# Altium PCB GameBoard_V1I1_Phase1.PcbDoc (part 4 of 18) (continued)
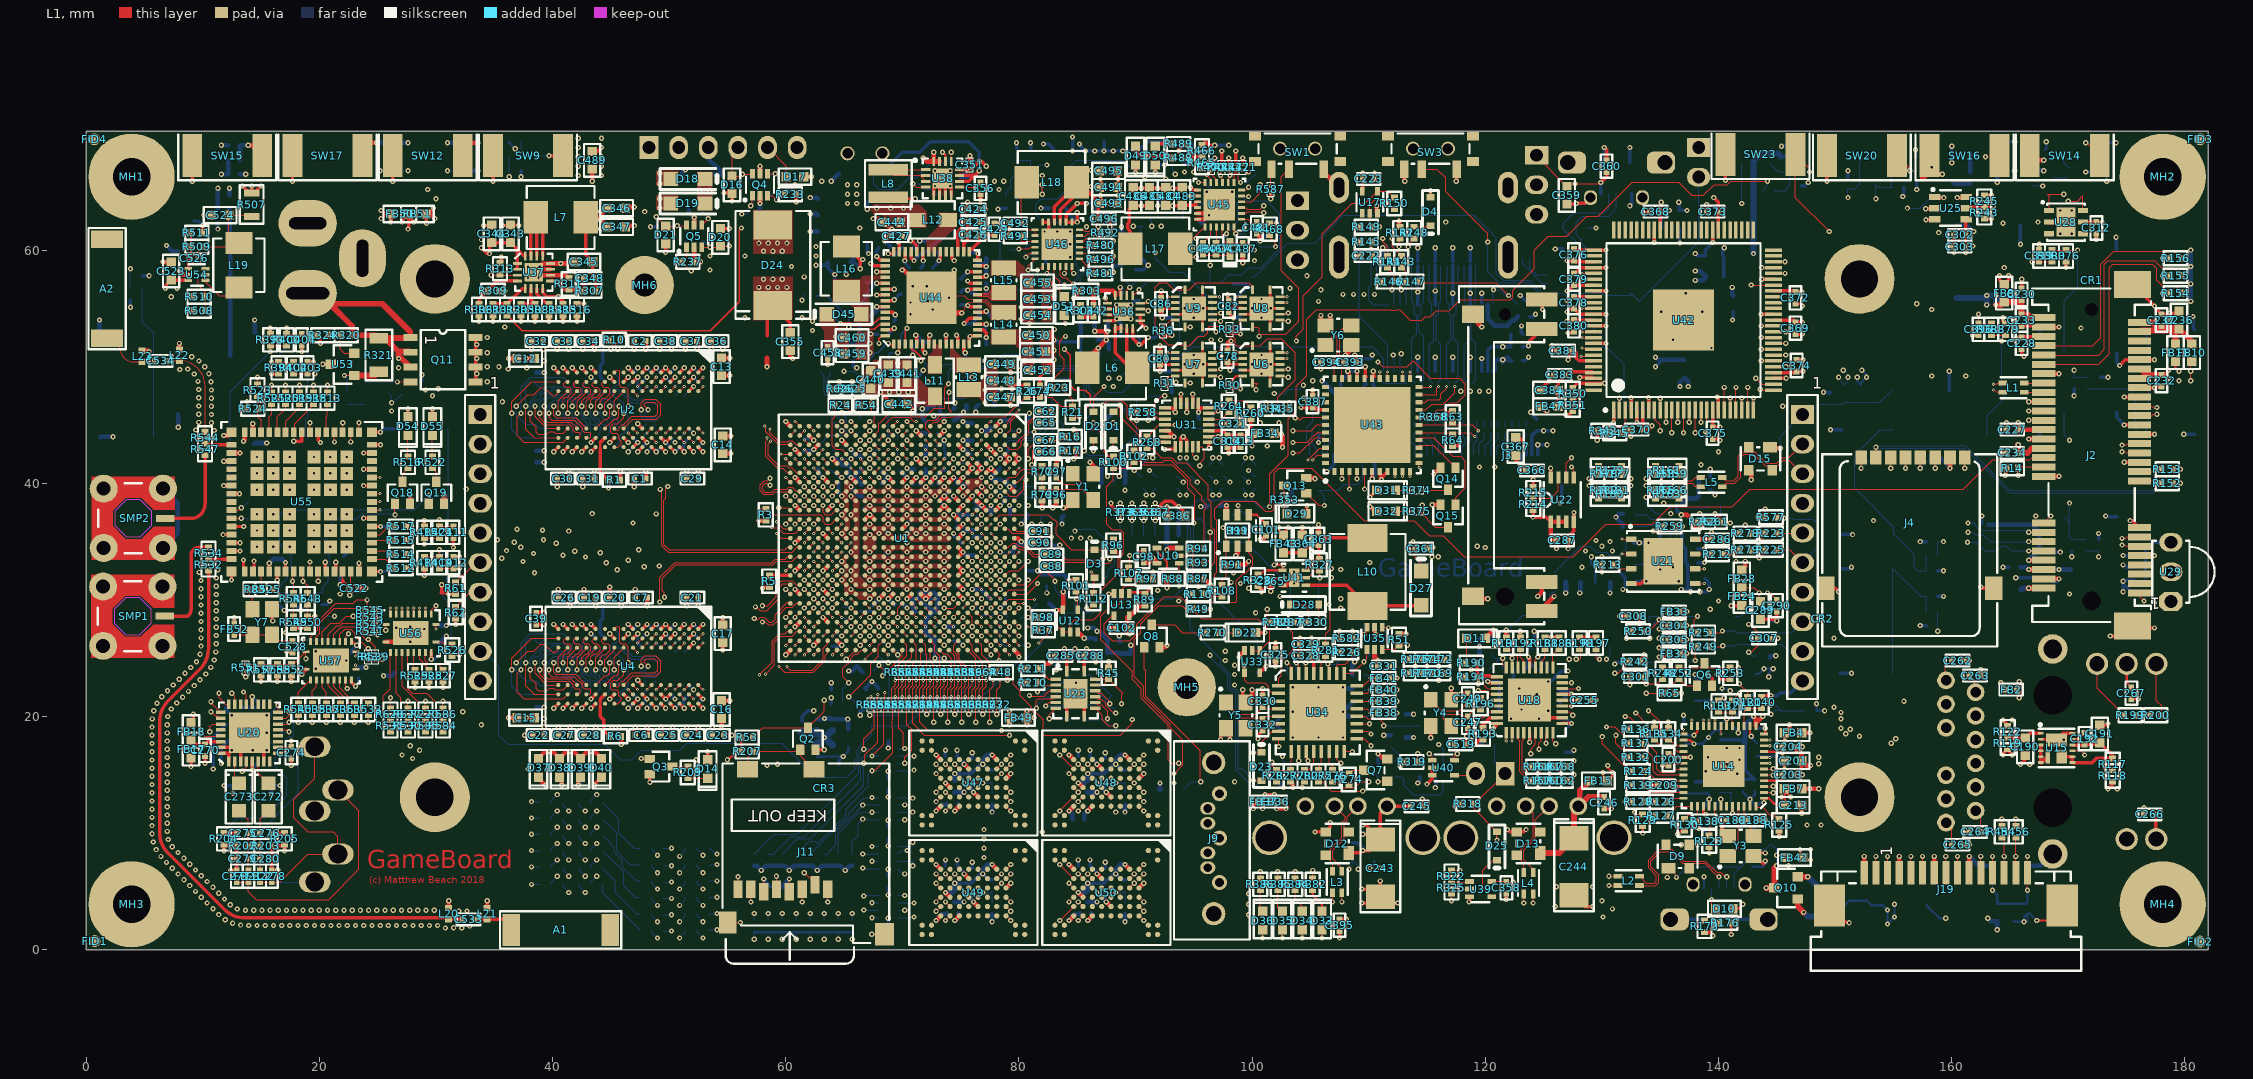
[diagram p0: L1 view]
## Footprints (in the part's own frame and the unit in brackets; to place one, negate y for a bottom-side part, rotate by r counter-clockwise, add the part's x,y. Pads: shape width x height; smd on the part's side, far side on the other; paste and mask are expansions set on the pad) (continued)
TACT_SMD_RA [mm]
  rect 1.7x3.7 smd mask+0.06: 1(-3,0) 2(3,0)
  silkscreen extent -4.2,-2.1 4.2,1.8, body extent -3.5,-1.76 3.5,2.65, height 2.23
TP_25C [mm]
  round 0.635 smd paste-0.635 mask+0.051: 1(0,0)
TSOP382 [mm]
  oct 2x1.6 hole 1.1 mask+0.03: 1(0,0)
  oval 2x1.6 hole 1.1 mask+0.03: 2(0,-2.54) 3(0,-5.08)
  silkscreen extent -3.75,-5.2 1.6,0.1, body extent -3.57,-5.33 1.6,0.25, height 10
TSQFP50P1600X1600X120_HS-101N [mm] "TSQFP, 100-Leads, Body 14.00x14.00mm, Pitch 0.50mm, Thermal Pad 5.20x5.20mm, IPC Medium Density"
  rect 1.45x0.3 smd: 1(-7.725,6) 2(-7.725,5.5) 3(-7.725,5) 4(-7.725,4.5) 5(-7.725,4) 6(-7.725,3.5) 7(-7.725,3) 8(-7.725,2.5) 9(-7.725,2) 10(-7.725,1.5) 11(-7.725,1) 12(-7.725,0.5) 13(-7.725,0) 14(-7.725,-0.5) 15(-7.725,-1) 16(-7.725,-1.5) 17(-7.725,-2) 18(-7.725,-2.5) 19(-7.725,-3) 20(-7.725,-3.5) 21(-7.725,-4) 22(-7.725,-4.5) 23(-7.725,-5) 24(-7.725,-5.5) 25(-7.725,-6) 51(7.725,-6) 52(7.725,-5.5) 53(7.725,-5) 54(7.725,-4.5) 55(7.725,-4) 56(7.725,-3.5) 57(7.725,-3) 58(7.725,-2.5) 59(7.725,-2) 60(7.725,-1.5) 61(7.725,-1) 62(7.725,-0.5) 63(7.725,0) 64(7.725,0.5) 65(7.725,1) 66(7.725,1.5) 67(7.725,2) 68(7.725,2.5) 69(7.725,3) 70(7.725,3.5) 71(7.725,4) 72(7.725,4.5) 73(7.725,5) 74(7.725,5.5) 75(7.725,6)
  rect 0.3x1.45 smd: 26(-6,-7.725) 27(-5.5,-7.725) 28(-5,-7.725) 29(-4.5,-7.725) 30(-4,-7.725) 31(-3.5,-7.725) 32(-3,-7.725) 33(-2.5,-7.725) 34(-2,-7.725) 35(-1.5,-7.725) 36(-1,-7.725) 37(-0.5,-7.725) 38(0,-7.725) 39(0.5,-7.725) 40(1,-7.725) 41(1.5,-7.725) 42(2,-7.725) 43(2.5,-7.725) 44(3,-7.725) 45(3.5,-7.725) 46(4,-7.725) 47(4.5,-7.725) 48(5,-7.725) 49(5.5,-7.725) 50(6,-7.725) 76(6,7.725) 77(5.5,7.725) 78(5,7.725) 79(4.5,7.725) 80(4,7.725) 81(3.5,7.725) 82(3,7.725) 83(2.5,7.725) 84(2,7.725) 85(1.5,7.725) 86(1,7.725) 87(0.5,7.725) 88(0,7.725) 89(-0.5,7.725) 90(-1,7.725) 91(-1.5,7.725) 92(-2,7.725) 93(-2.5,7.725) 94(-3,7.725) 95(-3.5,7.725) 96(-4,7.725) 97(-4.5,7.725) 98(-5,7.725) 99(-5.5,7.725) 100(-6,7.725)
  rect 5.2x5.2 smd: 101(0,0)
  silkscreen extent -7.85,-6.6 6.6,6.82, body extent -8,-8 8,8, height 1.2
TSSOP_38 [mm]
  rect 1.4x0.28 smd mask+0.025: 1(-2.85,4.5) 2(-2.85,4) 3(-2.85,3.5) 4(-2.85,3) 5(-2.85,2.5) 6(-2.85,2) 7(-2.85,1.5) 8(-2.85,1) 9(-2.85,0.5) 10(-2.85,0) 11(-2.85,-0.5) 12(-2.85,-1) 13(-2.85,-1.5) 14(-2.85,-2) 15(-2.85,-2.5) 16(-2.85,-3) 17(-2.85,-3.5) 18(-2.85,-4) 19(-2.85,-4.5) 20(2.85,-4.5) 21(2.85,-4) 22(2.85,-3.5) 23(2.85,-3) 24(2.85,-2.5) 25(2.85,-2) 26(2.85,-1.5) 27(2.85,-1) 28(2.85,-0.5) 29(2.85,0) 30(2.85,0.5) 31(2.85,1) 32(2.85,1.5) 33(2.85,2) 34(2.85,2.5) 35(2.85,3) 36(2.85,3.5) 37(2.85,4) 38(2.85,4.5)
  silkscreen extent -3.1,-5 2.3,5.1, body extent -2.3,-5 2.3,5, height 1.2
TXC_7XZ [mm] "SMD, 4-Leads, Body 3.2x2.5mm"
  rrect8% 1.2x1.4 smd: 1(-0.85,1.1) 2(-0.85,-1.1) 3(0.85,-1.1) 4(0.85,1.1)
  silkscreen extent -1.8,0.5 -1.6,1.7, body extent -1.3,-1.65 1.3,1.65, height 1.11
USB-A [mm]
  round 1.524 hole 1: 1(3.5,0.13) 2(1,0.13) 3(-1,0.13) 4(-3.5,0.13)
  round 3 hole 2.4: 5(-6.57,2.84) 6(6.57,2.84)
  silkscreen extent -10.75,-1 10.75,18.4, body extent -7.42,-0.7 7.42,13.1, height 7.2
USB_MICRO_AB [mm]
  rect 1.35x0.35 smd mask+0.025: 1(2.675,1.3) 2(2.675,0.65) 3(2.675,0) 4(2.675,-0.65) 5(2.675,-1.3)
  rrect84% 1.25x1.1 hole 0.85 mask+0.04: 6(3,2.225) 7(3,-2.225)
  rrect60% 1.9x2.425 hole 1.3 copper offset 0,-0.363: 8(0,4.175)
  rect 1.9x1.8 smd paste-10: 9(0,1.15) 10(0,-1.15)
  rrect60% 1.9x2.425 hole 1.3 copper offset 0,0.363: 11(0,-4.175)
  silkscreen extent -4.75,-5.4 2.85,5.4, body extent -2.75,-4.32 3.04,4.33, height 2.76
W3006 [mm] "ANTENNA"
  rect 1.5x2.75 smd: 1(-4.25,0) 2(4.25,0)
  silkscreen extent -5.2,-1.6 5.2,1.6, body extent -5,-1.4 5,1.4, height 1.5
WSON8_6X5MM [mm]
  rect 0.9x0.45 smd: 1(-2.75,1.905) 2(-2.75,0.635) 3(-2.75,-0.635) 4(-2.75,-1.905) 5(2.75,-1.905) 6(2.75,-0.635) 7(2.75,0.635) 8(2.75,1.905)
  rect 3.4x4 smd: 9(0,0)
  silkscreen extent -3.1,-2.6 3.1,3.1, body extent -3,-2.5 3,2.5, height 0.8
XFL4020-222MEC [mm]
  rect 0.98x3.4 smd: 1(-1.185,0) 2(1.185,0)
  silkscreen extent -2,-2 2,2, body extent -2,-2 2,2, height 3
ZIF_RA_BOTTOM_15X1MM [mm]
  rect 0.61x2 smd: 1(-7,1.4) 2(-6,1.4) 3(-5,1.4) 4(-4,1.4) 5(-3,1.4) 6(-2,1.4) 7(-1,1.4) 8(0,1.4) 9(1,1.4) 10(2,1.4) 11(3,1.4) 12(4,1.4) 13(5,1.4) 14(6,1.4) 15(7,1.4)
  rect 2.68x3.6 smd: 16(-9.99,-1.4) 17(9.99,-1.4)
  silkscreen extent -11.6,-7 11.6,1.5, body extent -11.46,-5.04 11.46,1.5, height 2.53

## Part data
A1 A2: "ANTENNA WLAN DUALBAND CERAM CHIP", Case/Package=SMD/SMT, Frequency=5GHz, Manufacturer="Pulse Electronics", Max Frequency=5.85GHz, Max Operating Temperature=85°C, Min Operating Temperature=-40°C, Package Quantity=1, Supplier Part Number 1=553-1673-1-ND, .Creator=MB, ComponentLink1Description=https://datasheet.ciiva.com/2792/+w3006-2792242.pdf, ComponentLink1URL=https://datasheet.ciiva.com/2792/+w3006-2792242.pdf, ComponentLink2Description=https://datasheet.ciiva.com/2792/+w3006-2792243.pdf, ComponentLink2URL=https://datasheet.ciiva.com/2792/+w3006-2792243.pdf, ComponentLink3Description=https://datasheet.ciiva.com/2792/+w3006-2792244.pdf, ComponentLink3URL=https://datasheet.ciiva.com/2792/+w3006-2792244.pdf, ComponentLink4Description=https://datasheet.ciiva.com/4432/w3006-203400-4432372.pdf, ComponentLink4URL=https://datasheet.ciiva.com/4432/w3006-203400-4432372.pdf, ComponentLink5Description=https://datasheet.ciiva.com/8152/antennas-g00302-8152982.pdf, ComponentLink5URL=https://datasheet.ciiva.com/8152/antennas-g00302-8152982.pdf, Contact Plating=Tin,Matte, Height=0.059inch, Impedance=50R, Length=10mm, Manufacturer Part Number=W3006, Mount="Surface Mount", Number of Bands=2, Number of Pins=2, Packaging=Bulk, Pricing 1="1=2.04, 10=1.846, 25=1.648, 100=1.4832, 250=1.3184, 500=1.1536 (USD)", Radiation Hardening=No, Return Loss=-10dB, Stock 1=500, Supplier 1=Digi-Key, Termination=Solder, Width=3.2mm
BAT1: "LITHIUM ION BATTERY - 2AH", Capacity=2Ah, Manufacturer="SparkFun Electronics", Standard Charge Current=-, Supplier Part Number 1=1568-1686-ND, .Creator=MB, Battery Cell Size=-, Battery Chemistry=Lithium-Ion, Category="Battery Products", ComponentLink1Description=https://media.digikey.com/pdf/Data%20Sheets/Sparkfun%20PDFs/PRT-13855_Web.pdf, ComponentLink1URL=https://media.digikey.com/pdf/Data%20Sheets/Sparkfun%20PDFs/PRT-13855_Web.pdf, Discharge Rate=-, Manufacturer Part Number=PRT-13855, Part Status=Active, Pricing 1="1=12.95 (USD)", RoHS="Not Applicable", Shipping Info="Due to possible restrictions, a change in ship method may be required.", Size / Dimension="2.40\" L x 2.10\" W x 0.25\" H (61.0mm x 53.3mm x 6.4mm)", Standard Charge Time=-, Stock 1=246, Supplier 1=Digi-Key, Termination Style="Wire Leads with Connector", Weight=-
C1 C2 C3 C4 C6 C7 C8 C9 C19 C20 C21 C22 C23 C24 C25 C26 C27 C28 C29 C30 C31 C32 C33 C34 C35 C36 C37 C38 C39 C40 C41 C42 C43 C44 C45 C46 C47 C48 C49 C50 C51 C52 C53 C54 C55 C56 C57 C58 C169 C322 C472: library part C1005X5R1E224M, "CAP CER .22UF 25V X5R 20% 0402", Capacitance=0.22µF, Manufacturer="TDK Corporation", Operating Temperature="-55°C ~ 85°C", Package / Case="0402 (1005 Metric)", Ratings=-, Supplier Part Number=445-5945-1-ND, Temperature Coefficient=X5R, Tolerance=±20%, Voltage - Rated=25V, .Checked PCB=used, .Checked SCH=used, Applications="General Purpose", Category=Capacitors, ComponentLink1Description=http://www.tdk.co.jp/tefe02/e412_c.pdf, ComponentLink1URL=http://www.tdk.co.jp/tefe02/e412_c.pdf, Features=-, Height - Seated (Max)=-, Lead Spacing=-, Lead Style=-, Manufacturer Part Number=C1005X5R1E224M, Mounting Type="Surface Mount, MLCC", Packaging="Cut Tape (CT)", Price 1k [$]=0.02600, Pricing 1="1=0.3, 10=0.2, 100=0.08, 250=0.05752, 500=0.041, 1000=0.03 (USD)", RoHS="RoHS Compliant", Size / Dimension="0.039\" L x 0.020\" W (1.00mm x 0.50mm)", Stock 1=54593, Supplier=Digikey, Supplier 1=Digi-Key, Supplier Part Number 1=445-5945-1-ND, Thickness (Max)="0.022\" (0.55mm)"
C5 C10 C18 C62 C65 C66 C67 C74 C78 C80 C82 C86 C98 C99 C100 C101 C102 C194 C202 C206 C209 C214 C218 C219 C220 C221 C222 C223 C226 C227 C228 C232 C233 C234 C235 C237 C238 C239 C241 C245 C246 C248 C250 C252 C256 C257 C258 C259 C261 C262 C263 C264 C265 C266 C267 C269 C270 C271 C274 C275 C276 C282 C284 C285 C286 C287 C288 C290 C298 C300 C301 C305 C308 C310 C312 C314 C316 C317 C318 C319 C321 C323 C324 C325 C326 C328 C331 C358 C360 C363 C366 C368 C369 C370 C372 C373 C374 C375 C376 C378 C379 C380 C381 C383 C385 C387 C388 C389 C390 C391 C395 C396 C397 C398 C399 C400 C401 C402 C403 C404 C405 C406 C407 C408 C409 C410 C411 C412 C413 C414 C415 C426 C428 C429 C432 C433 C436 C437 C457 C462 C463 C466 C467 C474 C476 C499 C500 C501 C502 C504 C505 C506 C507 C509 C510 C511 C512 C514 C515 C516 C517 C519 C520 C521 C528 C529 C530 C531 C532: library part C1005X5R1H104K, "CAP CER .10UF 50V X5R 10% 0402", Capacitance=0.1µF, Manufacturer="TDK Corporation", Operating Temperature="-55°C ~ 85°C", Package / Case="0402 (1005 Metric)", Ratings=-, Supplier Part Number=445-5942-1-ND, Temperature Coefficient=X5R, Tolerance=±10%, Voltage - Rated=50V, .Checked PCB=used, .Checked SCH=used, Applications="General Purpose", Category=Capacitors, ComponentLink1Description=http://www.tdk.co.jp/tefe02/e412_c.pdf, ComponentLink1URL=http://www.tdk.co.jp/tefe02/e412_c.pdf, Features=-, Height - Seated (Max)=-, Lead Spacing=-, Lead Style=-, Manufacturer Part Number=C1005X5R1H104K, Mounting Type="Surface Mount, MLCC", Packaging="Cut Tape (CT)", Price 1k [$]=0.02340, Pricing 1="1=0.27, 10=0.18, 100=0.072, 250=0.05176, 500=0.0369, 1000=0.027 (USD)", RoHS="RoHS Compliant", Size / Dimension="0.039\" L x 0.020\" W (1.00mm x 0.50mm)", Stock 1=106926, Supplier=Digikey, Supplier 1=Digi-Key, Supplier Part Number 1=445-5942-1-ND, Thickness (Max)="0.022\" (0.55mm)"
C11 C68 C190 C191 C193 C201 C205 C208 C213 C236 C240 C268 C289 C350 C359 C364 C367 C371 C377 C382 C384 C386 C392 C475 C479 C483 C484 C485 C486 C488 C489 C493 C494 C495 C498 C523 C524 C525: library part C1608X5R0J106M, "CAP CER 10UF 6.3V X5R 20% 0603", Capacitance=10µF, Manufacturer="TDK Corporation", Operating Temperature="-55°C ~ 85°C", Package / Case="0603 (1608 Metric)", Ratings=-, Supplier Part Number=445-4112-1-ND, Temperature Coefficient=X5R, Tolerance=±20%, Voltage - Rated=6.3V, .Checked PCB=used, .Checked SCH=used, Applications="General Purpose", Category=Capacitors, ComponentLink1Description=http://www.tdk.com/pdf/general_B11.pdf, ComponentLink1URL=http://www.tdk.com/pdf/general_B11.pdf, Features="Low ESR", Height - Seated (Max)=-, Lead Spacing=-, Lead Style=-, Manufacturer Part Number=C1608X5R0J106M, Mounting Type="Surface Mount, MLCC", Packaging="Cut Tape (CT)", Price 1k [$]=0.08580, Pricing 1="1=0.46, 10=0.363, 100=0.1898, 250=0.14024, 500=0.1089, 1000=0.0858 (USD)", RoHS="RoHS Compliant", Size / Dimension="0.063\" L x 0.031\" W (1.60mm x 0.80mm)", Stock 1=48157, Supplier=Digikey, Supplier 1=Digi-Key, Supplier Part Number 1=445-4112-1-ND, Thickness (Max)="0.037\" (0.95mm)"
C12 C13 C14 C15 C16 C17 C339 C340 C345 C346 C347 C439 C440 C441 C442 C443 C444 C445 C446 C447 C448 C449 C450 C451 C452: library part GRM188R60G226MEA0L, "CAP CER 22UF 4V 20% X5R 0603", Capacitance=22µF, Manufacturer="Murata Electronics North America", Operating Temperature="-55°C ~ 85°C", Package / Case="0603 (1608 Metric)", Ratings=-, Supplier Part Number 1=490-5526-1-ND, Temperature Coefficient=X5R, Tolerance=±20%, Voltage - Rated=4V, .Creator=MM, Applications="General Purpose", Category=Capacitors, ComponentLink1Description=http://www.murata.com/products/catalog/pdf/c02e.pdf, ComponentLink1URL=http://www.murata.com/products/catalog/pdf/c02e.pdf, Features=-, Height - Seated (Max)=-, Lead Spacing=-, Lead Style=-, Manufacturer Part Number=GRM188R60G226MEA0L, Mounting Type="Surface Mount, MLCC", Packaging="Cut Tape (CT)", Pricing 1="1=0.79, 10=0.663, 50=0.4752, 100=0.4158, 250=0.32672, 500=0.297, 1000=0.2376 (USD)", RoHS="RoHS Compliant", Size / Dimension="0.063\" L x 0.031\" W (1.60mm x 0.80mm)", Stock 1=5760, Supplier 1=Digi-Key, Thickness (Max)="0.035\" (0.90mm)"
  C12 C13 C14 C15 C16 C17: .Checked PCB="RF, used by MM", .Checked SCH="MM, checked by RF"
  C339 C340 C345 C346 C347 C439 C440 C441 C442 C443 C444 C445 C446 C447 C448 C449 C450 C451 C452: .Checked PCB=used, .Checked SCH=used
C59 C61 C64 C69 C70 C71 C73 C76 C84 C87 C93 C103 C104 C105 C106 C107 C108 C110 C111 C112 C113 C115 C116 C117 C118 C120 C121 C122 C123 C125 C126 C127 C128 C129 C130 C132 C133 C134 C135 C136 C137 C138 C139 C143 C144 C145 C146 C147 C149 C151 C153 C155 C156 C157 C158 C159 C160 C163 C164 C166 C168 C170 C171 C172 C173 C174 C175 C176 C177 C178 C179 C180 C181 C182 C183 C184 C187 C365: library part C0603X5R0J224M030BB, "CAP CER 0.22UF 6.3V 20% X5R 0201", Capacitance=0.22µF, Manufacturer="TDK Corporation", Operating Temperature="-55°C ~ 85°C", Package / Case="0201 (0603 Metric)", Ratings=-, Supplier Part Number 1=445-5929-1-ND, Temperature Coefficient=X5R, Tolerance=±20%, Voltage - Rated=6.3V, .Checked PCB=used, .Checked SCH=used, .Creator=MM, Applications="General Purpose", Category=Capacitors, ComponentLink1Description=http://product.tdk.com/en/catalog/datasheets/mlcc_commercial_general_en.pdf, ComponentLink1URL=http://product.tdk.com/en/catalog/datasheets/mlcc_commercial_general_en.pdf, Features=-, Height - Seated (Max)=-, Lead Spacing=-, Lead Style=-, Manufacturer Part Number=C0603X5R0J224M030BB, Mounting Type="Surface Mount, MLCC", Packaging="Cut Tape (CT)", Pricing 1="1=0.15, 10=0.102, 100=0.0485, 250=0.0408, 500=0.03418, 1000=0.0275, 5000=0.02325 (USD)", RoHS="RoHS Compliant", Size / Dimension="0.024\" L x 0.012\" W (0.60mm x 0.30mm)", Stock 1=205900, Supplier 1=Digi-Key, Thickness (Max)="0.013\" (0.33mm)"
C60 C63 C72 C75 C83 C92 C229 C230 C231 C251 C253 C304 C315 C320 C419 C422 C431 C434 C435 C438 C461 C464 C465 C487 C497: library part C1005X5R1A475M, "CAP CER 4.7UF 10V 20% X5R 0402", Capacitance=4.7µF, Manufacturer="TDK Corporation", Operating Temperature="-55°C ~ 85°C", Package / Case="0402 (1005 Metric)", Ratings=-, Supplier Part Number 1=445-8023-1-ND, Temperature Coefficient=X5R, Tolerance=±20%, Voltage - Rated=10V, .Checked PCB=used, .Checked SCH=used, Applications="General Purpose", Category=Capacitors, ComponentLink1Description=http://www.tdk.com/pdf/general_B11.pdf, ComponentLink1URL=http://www.tdk.com/pdf/general_B11.pdf, Features=-, Height - Seated (Max)=-, Lead Spacing=-, Lead Style=-, Manufacturer Part Number=C1005X5R1A475M, Mounting Type="Surface Mount, MLCC", Packaging="Cut Tape (CT)", Pricing 1="1=0.53, 10=0.415, 100=0.25, 250=0.18752, 500=0.16, 1000=0.125, 5000=0.095 (USD)", RoHS="RoHS Compliant", Size / Dimension="0.039\" L x 0.020\" W (1.00mm x 0.50mm)", Stock 1=10140, Supplier 1=Digi-Key, Thickness (Max)=-
C77 C79 C81 C85 C88 C89 C90 C91 C195 C196 C197 C198 C199 C200 C203 C204 C207 C210 C211 C212 C215 C216 C217 C302 C307 C327 C329 C458 C477 C481 C490 C496: library part C1005X7R1H103K, "CAP CER 10000PF 50V 10% X7R 0402", Capacitance=10000pF, Manufacturer="TDK Corporation", Operating Temperature="-55°C ~ 125°C", Package / Case="0402 (1005 Metric)", Ratings=-, Supplier Part Number=445-6850-1-ND, Temperature Coefficient=X7R, Tolerance=±10%, Voltage - Rated=50V, .Checked PCB=used, .Checked SCH=used, Applications="General Purpose", Category=Capacitors, ComponentLink1Description=http://www.tdk.co.jp/tefe02/e412_c.pdf, ComponentLink1URL=http://www.tdk.co.jp/tefe02/e412_c.pdf, Features=-, Height - Seated (Max)=-, Lead Spacing=-, Lead Style=-, Manufacturer Part Number=C1005X7R1H103K, Mounting Type="Surface Mount, MLCC", Packaging="Cut Tape (CT)", Price 1k [$]=0.01625, Pricing 1="1=0.2, 10=0.125, 100=0.045, 250=0.03252, 500=0.024, 1000=0.01625 (USD)", RoHS="RoHS Compliant", Size / Dimension="0.039\" L x 0.020\" W (1.00mm x 0.50mm)", Stock 1=3901, Supplier=Digikey, Supplier 1=Digi-Key, Supplier Part Number 1=445-6850-1-ND, Thickness (Max)="0.022\" (0.55mm)"
C94 C95: library part C0603C0G1H180J030BA, "CAP CER 18PF 50V 5% C0G 0201", Capacitance=18pF, Manufacturer="TDK Corporation", Operating Temperature="-55°C ~ 125°C", Package / Case="0201 (0603 Metric)", Ratings=-, Supplier Part Number 1=445-1777-1-ND, Temperature Coefficient="C0G, NP0", Tolerance=±5%, Voltage - Rated=50V, .Checked PCB=used, .Checked SCH=used, .Creator=MM, Applications="General Purpose", Category=Capacitors, ComponentLink1Description=http://product.tdk.com/en/catalog/datasheets/mlcc_commercial_general_en.pdf, ComponentLink1URL=http://product.tdk.com/en/catalog/datasheets/mlcc_commercial_general_en.pdf, Features=-, Height - Seated (Max)=-, Lead Spacing=-, Lead Style=-, Manufacturer Part Number=C0603C0G1H180J030BA, Mounting Type="Surface Mount, MLCC", Packaging="Cut Tape (CT)", Pricing 1="1=0.1, 10=0.024, 100=0.011, 250=0.009, 500=0.0077, 1000=0.006, 5000=0.005 (USD)", RoHS="RoHS Compliant", Size / Dimension="0.024\" L x 0.012\" W (0.60mm x 0.30mm)", Stock 1=230156, Supplier 1=Digi-Key, Thickness (Max)="0.013\" (0.33mm)"
C96 C97 C247 C249 C330 C332 C393 C394: library part C1005C0G1H180J, "CAP CER 18PF 50V C0G 5% 0402", Capacitance=18pF, Manufacturer="TDK Corporation", Operating Temperature="-55°C ~ 125°C", Package / Case="0402 (1005 Metric)", Ratings=-, Supplier Part Number=445-1238-1-ND, Temperature Coefficient="C0G, NP0", Tolerance=±5%, Voltage - Rated=50V, .Checked PCB=used, .Checked SCH=used, Applications="General Purpose", Category=Capacitors, ComponentLink1Description=http://www.tdk.co.jp/tefe02/e412_c.pdf, ComponentLink1URL=http://www.tdk.co.jp/tefe02/e412_c.pdf, Features=-, Height - Seated (Max)=-, Lead Spacing=-, Lead Style=-, Manufacturer Part Number=C1005C0G1H180J, Mounting Type="Surface Mount, MLCC", Packaging="Cut Tape (CT)", Price 1k [$]=0.00468, Pricing 1="1=0.08, 10=0.05, 100=0.018, 250=0.013, 500=0.0096, 1000=0.0065 (USD)", RoHS="RoHS Compliant", Size / Dimension="0.039\" L x 0.020\" W (1.00mm x 0.50mm)", Stock 1=24321, Supplier=Digikey, Supplier 1=Digi-Key, Supplier Part Number 1=445-1238-1-ND, Thickness (Max)="0.022\" (0.55mm)"
C109 C114 C119 C124 C131 C140 C141 C142 C148 C185 C186: library part GRM188R60G226MEA0L_small, "CAP CER 22UF 4V 20% X5R 0603", Capacitance=22µF, Manufacturer="Murata Electronics North America", Manufacturer Part Number=GRM188R60G226MEA0L, Operating Temperature="-55°C ~ 85°C", Package / Case="0603 (1608 Metric)", Ratings=-, Supplier Part Number 1=490-5526-1-ND, Temperature Coefficient=X5R, Tolerance=±20%, Voltage - Rated=4V, .Checked PCB=used, .Checked SCH=used, .Creator=MM, Applications="General Purpose", Category=Capacitors, ComponentLink1Description=http://www.murata.com/products/catalog/pdf/c02e.pdf, ComponentLink1URL=http://www.murata.com/products/catalog/pdf/c02e.pdf, Features=-, Height - Seated (Max)=-, Lead Spacing=-, Lead Style=-, Mounting Type="Surface Mount, MLCC", Packaging="Cut Tape (CT)", Pricing 1="1=0.79, 10=0.663, 50=0.4752, 100=0.4158, 250=0.32672, 500=0.297, 1000=0.2376 (USD)", RoHS="RoHS Compliant", Size / Dimension="0.063\" L x 0.031\" W (1.60mm x 0.80mm)", Stock 1=5760, Supplier 1=Digi-Key, Thickness (Max)="0.035\" (0.90mm)"
C150 C154 C161 C162 C165 C167 C337 C338 C343 C344 C355 C453 C454 C455: library part C1608X5R0J226M080AC, "CAP CER 22UF 6.3V 20% X5R 0603", Capacitance=22µF, Manufacturer="TDK Corporation", Operating Temperature="-55°C ~ 85°C", Package / Case="0603 (1608 Metric)", Ratings=-, Supplier Part Number 1=445-8028-1-ND, Temperature Coefficient=X5R, Tolerance=±20%, Voltage - Rated=6.3V, .Checked PCB=used, .Checked SCH=used, .Creator=MM, Applications="General Purpose", Category=Capacitors, ComponentLink1Description=http://product.tdk.com/en/catalog/datasheets/mlcc_commercial_general_en.pdf, ComponentLink1URL=http://product.tdk.com/en/catalog/datasheets/mlcc_commercial_general_en.pdf, Features=-, Height - Seated (Max)=-, Lead Spacing=-, Lead Style=-, Manufacturer Part Number=C1608X5R0J226M080AC, Mounting Type="Surface Mount, MLCC", Packaging="Cut Tape (CT)", Pricing 1="1=0.39, 10=0.343, 100=0.1714, 250=0.13708, 500=0.12484, 1000=0.1104 (USD)", RoHS="RoHS Compliant", Size / Dimension="0.063\" L x 0.031\" W (1.60mm x 0.80mm)", Stock 1=593047, Supplier 1=Digi-Key, Thickness (Max)="0.039\" (1.00mm)"
C152: library part C0603X5R1C103K030BA, "CAP CER .01UF 16V 10% X5R 0201", Capacitance=10000pF, Manufacturer="TDK Corporation", Operating Temperature="-55°C ~ 85°C", Package / Case="0201 (0603 Metric)", Ratings=-, Supplier Part Number 1=445-16166-1-ND, Temperature Coefficient=X5R, Tolerance=±10%, Voltage - Rated=16V, .Checked PCB=used, .Checked SCH=used, .Creator=MM, Applications="General Purpose", Category=Capacitors, ComponentLink1Description=http://product.tdk.com/en/catalog/datasheets/mlcc_commercial_general_en.pdf, ComponentLink1URL=http://product.tdk.com/en/catalog/datasheets/mlcc_commercial_general_en.pdf, Features=-, Height - Seated (Max)=-, Lead Spacing=-, Lead Style=-, Manufacturer Part Number=C0603X5R1C103K030BA, Mounting Type="Surface Mount, MLCC", Packaging="Cut Tape (CT)", Pricing 1="1=0.1, 10=0.043, 100=0.0196, 250=0.01608, 500=0.01374, 1000=0.0105, 5000=0.00875 (USD)", RoHS="RoHS Compliant", Size / Dimension="0.024\" L x 0.012\" W (0.60mm x 0.30mm)", Stock 1=24793, Supplier 1=Digi-Key, Thickness (Max)="0.013\" (0.33mm)"
C188 C189 C333 C334 C335 C336 C341 C348: library part C1005C0G1H220J, "CAP CER 22PF 50V C0G 5% 0402", Manufacturer="TDK Corporation", Operating Temperature="-55°C ~ 125°C", Package / Case="0402 (1005 Metric)", Ratings=-, Supplier Part Number=445-1239-1-ND, Temperature Coefficient="C0G, NP0", Tolerance=±5%, Voltage - Rated=50V, .Checked PCB=used, .Checked SCH=used, Applications="General Purpose", Capacitance=22pF, Category=Capacitors, ComponentLink1Description=http://www.tdk.co.jp/tefe02/e412_c.pdf, ComponentLink1URL=http://www.tdk.co.jp/tefe02/e412_c.pdf, Features=-, Height - Seated (Max)=-, Lead Spacing=-, Lead Style=-, Manufacturer Part Number=C1005C0G1H220J, Mounting Type="Surface Mount, MLCC", Packaging="Cut Tape (CT)", Price 1k [$]=0.00442, Pricing 1="1=0.08, 10=0.05, 100=0.018, 250=0.013, 500=0.0096, 1000=0.0065 (USD)", RoHS="RoHS Compliant", Size / Dimension="0.039\" L x 0.020\" W (1.00mm x 0.50mm)", Stock 1=176261, Supplier=Digikey, Supplier 1=Digi-Key, Supplier Part Number 1=445-1239-1-ND, Thickness (Max)="0.022\" (0.55mm)"
C192: library part GRM1555C1H561JA01D, "CAP CER 560PF 50V C0G 0402", Manufacturer="Murata Electronics North America", Operating Temperature="-55°C ~ 125°C", Package / Case="0402 (1005 Metric)", Ratings=-, Supplier Part Number=490-3238-1-ND, Temperature Coefficient="C0G, NP0", Tolerance=±5%, Voltage - Rated=50V, .Checked PCB=used, .Checked SCH=used, Applications="General Purpose", Capacitance=560pF, Category=Capacitors, ComponentLink1Description=http://search.murata.co.jp/Ceramy/image/img/PDF/ENG/GRM1555C1H561JA01.pdf, ComponentLink1URL=http://search.murata.co.jp/Ceramy/image/img/PDF/ENG/GRM1555C1H561JA01.pdf, Features=-, Height - Seated (Max)=-, Lead Spacing=-, Lead Style=-, Manufacturer Part Number=GRM1555C1H561JA01D, Mounting Type="Surface Mount, MLCC", Packaging="Cut Tape (CT)", Price 1k [$]=0.0149, Pricing 1="10=0.066, 50=0.0528, 100=0.0396, 250=0.0286, 500=0.02112, 1000=0.0143, 5000=0.011 (USD)", RoHS="RoHS Compliant", Size / Dimension="0.039\" L x 0.020\" W (1.00mm x 0.50mm)", Stock 1=301161, Supplier=Digikey, Supplier 1=Digi-Key, Supplier Part Number 1=490-3238-1-ND, Thickness (Max)="0.022\" (0.55mm)"
C224 C225: library part T520D337M006ATE045, "CAP TANT 330UF 6.3V 20% 2917", Capacitance=330µF, ESR (Equivalent Series Resistance)="45 mOhm", Lifetime @ Temp.=-, Manufacturer=Kemet, Manufacturer Size Code=D, Operating Temperature="-55°C ~ 105°C", Package / Case="2917 (7343 Metric)", Supplier Part Number 1=399-4055-1-ND, Tolerance=±20%, Voltage - Rated=6.3V, .Checked PCB=used, .Checked SCH=used, .Creator=MM, Category=Capacitors, ComponentLink1Description=http://www.kemet.com/kemet/web/homepage/kechome.nsf/file/T520%20Series/$file/KEM_T2015_T520.pdf, ComponentLink1URL=http://www.kemet.com/kemet/web/homepage/kechome.nsf/file/T520%20Series/$file/KEM_T2015_T520.pdf, Features=Polymer, Height - Seated (Max)="0.122\" (3.10mm)", Lead Spacing=-, Manufacturer Part Number=T520D337M006ATE045, Mounting Type="Surface Mount", Packaging="Cut Tape (CT)", Pricing 1="1=1.33, 10=1.05, 50=0.91, 100=0.7875, 250=0.7 (USD)", RoHS="RoHS Compliant", Size / Dimension="0.287\" L x 0.169\" W (7.30mm x 4.30mm)", Stock 1=11758, Supplier 1=Digi-Key, Type=Molded
C242 C254 C255 C260 C281 C303 C311 C313 C361 C362 C416 C417 C420 C424 C425 C469 C471 C473 C482 C491 C503 C508 C513 C518 C527: library part C1005X5R1C105K, "CAP CER 1.0UF 16V X5R 0402", Capacitance=1.0µF, Manufacturer="TDK Corporation", Operating Temperature="-55°C ~ 85°C", Package / Case="0402 (1005 Metric)", Ratings=-, Supplier Part Number=445-4978-1-ND, Temperature Coefficient=X5R, Tolerance=±10%, Voltage - Rated=16V, .Checked PCB=used, .Checked SCH=used, Applications="General Purpose", Category=Capacitors, ComponentLink1Description=http://www.tdk.co.jp/tefe02/e412_c.pdf, ComponentLink1URL=http://www.tdk.co.jp/tefe02/e412_c.pdf, Features=-, Height - Seated (Max)=-, Lead Spacing=-, Lead Style=-, Manufacturer Part Number=C1005X5R1C105K, Mounting Type="Surface Mount, MLCC", Packaging="Cut Tape (CT)", Price 1k [$]=0.02080, Pricing 1="1=0.24, 10=0.16, 100=0.064, 250=0.046, 500=0.0328, 1000=0.024 (USD)", RoHS="RoHS Compliant", Size / Dimension="0.039\" L x 0.020\" W (1.00mm x 0.50mm)", Stock 1=341010, Supplier=Digikey, Supplier 1=Digi-Key, Supplier Part Number 1=445-4978-1-ND, Thickness (Max)="0.022\" (0.55mm)"
C243 C244 C297 C357: library part TPSC107K010R0150, "CAP TANT 100UF 10V 10% 2312", Capacitance=100µF, ESR (Equivalent Series Resistance)="150 mOhm", Lifetime @ Temp.=-, Manufacturer="AVX Corporation", Manufacturer Size Code=C, Operating Temperature="-55°C ~ 125°C", Package / Case="2312 (6032 Metric)", Supplier Part Number 1=478-7995-1-ND, Tolerance=±10%, Voltage - Rated=10V, .Checked PCB=used, .Checked SCH=used, .Creator=MM, Category=Capacitors, ComponentLink1Description=http://www.avx.com/docs/Catalogs/tps.pdf, ComponentLink1URL=http://www.avx.com/docs/Catalogs/tps.pdf, Features="General Purpose", Height - Seated (Max)="0.110\" (2.80mm)", Lead Spacing=-, Manufacturer Part Number=TPSC107K010R0150, Mounting Type="Surface Mount", Packaging="Cut Tape (CT)", Pricing 1="1=1, 10=0.85, 100=0.4969, 250=0.4168 (USD)", RoHS="RoHS Compliant", Size / Dimension="0.236\" L x 0.126\" W (6.00mm x 3.20mm)", Stock 1=3211, Supplier 1=Digi-Key, Type=Molded
C272 C273: library part TLNS227M004R3000, "CAP TANT 220UF 4V 20% 1206", Capacitance=220µF, ESR (Equivalent Series Resistance)="3.000 Ohm", Lifetime @ Temp.=-, Manufacturer="AVX Corporation", Manufacturer Size Code=S, Operating Temperature="-55°C ~ 125°C", Package / Case="1206 (3216 Metric)", Supplier Part Number 1=478-5526-1-ND, Tolerance=±20%, Voltage - Rated=4V, .Checked PCB=used, .Checked SCH=used, Category=Capacitors, ComponentLink1Description=http://www.avx.com/docs/Catalogs/tlnunder.pdf, ComponentLink1URL=http://www.avx.com/docs/Catalogs/tlnunder.pdf, Features="General Purpose", Height - Seated (Max)="0.047\" (1.20mm)", Lead Spacing=-, Manufacturer Part Number=TLNS227M004R3000, Mounting Type="Surface Mount", Packaging="Cut Tape (CT)", Pricing 1="1=1.35, 10=1.128, 100=0.72, 250=0.6, 500=0.54, 1000=0.492 (USD)", RoHS="RoHS Compliant", Size / Dimension="0.126\" L x 0.063\" W (3.20mm x 1.60mm)", Stock 1=21393, Supplier 1=Digi-Key, Type=Molded
C277 C278 C283: library part GRM155R71H271KA01D, "CAP CER 270PF 50V 10% X7R 0402", Manufacturer="Murata Electronics North America", Operating Temperature="-55°C ~ 125°C", Package / Case="0402 (1005 Metric)", Ratings=-, Supplier Part Number 1=490-1299-1-ND, Temperature Coefficient=X7R, Tolerance=±10%, Voltage - Rated=50V, .Checked PCB=used, .Checked SCH=used, Applications="General Purpose", Capacitance=270pF, Category=Capacitors, ComponentLink1Description=http://search.murata.co.jp/Ceramy/image/img/PDF/ENG/GRM155R71H271KA01.pdf, ComponentLink1URL=http://search.murata.co.jp/Ceramy/image/img/PDF/ENG/GRM155R71H271KA01.pdf, Features=-, Height - Seated (Max)=-, Lead Spacing=-, Lead Style=-, Manufacturer Part Number=GRM155R71H271KA01D, Mounting Type="Surface Mount, MLCC", Packaging="Cut Tape (CT)", Pricing 1="10=0.032, 50=0.0252, 100=0.0189, 250=0.01364, 500=0.01008, 1000=0.00683, 5000=0.00525 (USD)", RoHS="RoHS Compliant", Size / Dimension="0.039\" L x 0.020\" W (1.00mm x 0.50mm)", Stock 1=83894, Supplier 1=Digi-Key, Thickness (Max)="0.022\" (0.55mm)"
C279 C280 C306 C309: library part C1005C0G1H101J, "CAP CER 100PF 50V 5% NP0 0402", Manufacturer="TDK Corporation", Operating Temperature="-55°C ~ 125°C", Package / Case="0402 (1005 Metric)", Ratings=-, Supplier Part Number 1=445-1247-1-ND, Temperature Coefficient="C0G, NP0", Tolerance=±5%, Voltage - Rated=50V, .Checked PCB=used, .Checked SCH=used, Applications="General Purpose", Capacitance=100pF, Category=Capacitors, ComponentLink1Description=http://www.tdk.com/pdf/general_B11.pdf, ComponentLink1URL=http://www.tdk.com/pdf/general_B11.pdf, Features=-, Height - Seated (Max)=-, Lead Spacing=-, Lead Style=-, Manufacturer Part Number=C1005C0G1H101J, Mounting Type="Surface Mount, MLCC", Packaging="Cut Tape (CT)", Pricing 1="1=0.08, 10=0.05, 100=0.018, 250=0.013, 500=0.0096, 1000=0.0065 (USD)", RoHS="RoHS Compliant", Size / Dimension="0.039\" L x 0.020\" W (1.00mm x 0.50mm)", Stock 1=298233, Supplier 1=Digi-Key, Thickness (Max)="0.022\" (0.55mm)"
C299 C456 C470: library part C2012X5R1C106M, "CAP CER 10UF 16V 20% X5R 0805", Capacitance=10µF, Manufacturer="TDK Corporation", Manufacturer Part Number=C2012X5R1C106M/1.25, Operating Temperature="-55°C ~ 85°C", Package / Case="0805 (2012 Metric)", Ratings=-, Supplier Part Number 1=445-4115-1-ND, Temperature Coefficient=X5R, Tolerance=±20%, Voltage - Rated=16V, .Checked PCB=used, .Checked SCH=used, Applications="General Purpose", Category=Capacitors, ComponentLink1Description=http://www.tdk.com/pdf/general_B11.pdf, ComponentLink1URL=http://www.tdk.com/pdf/general_B11.pdf, Features=-, Height - Seated (Max)=-, Lead Spacing=-, Lead Style=-, Mounting Type="Surface Mount, MLCC", Packaging="Cut Tape (CT)", Pricing 1="1=0.45, 10=0.357, 100=0.215, 250=0.16124, 500=0.1376, 1000=0.1075 (USD)", RoHS="RoHS Compliant", Size / Dimension="0.079\" L x 0.049\" W (2.00mm x 1.25mm)", Stock 1=66161, Supplier 1=Digi-Key, Thickness (Max)="0.039\" (1.00mm)"
C342 C349: library part C1005X7R1H221K, "CAP CER 220PF 50V X7R 10% 0402", Manufacturer="TDK Corporation", Operating Temperature="-55°C ~ 125°C", Package / Case="0402 (1005 Metric)", Ratings=-, Supplier Part Number=445-1254-1-ND, Temperature Coefficient=X7R, Tolerance=±10%, Voltage - Rated=50V, .Checked PCB=used, .Checked SCH=used, Applications="General Purpose", Capacitance=220pF, Category=Capacitors, ComponentLink1Description=http://www.tdk.co.jp/tefe02/e412_c.pdf, ComponentLink1URL=http://www.tdk.co.jp/tefe02/e412_c.pdf, Features=-, Height - Seated (Max)=-, Lead Spacing=-, Lead Style=-, Manufacturer Part Number=C1005X7R1H221K, Mounting Type="Surface Mount, MLCC", Packaging="Cut Tape (CT)", Price 1k [$]=0.00650, Pricing 1="1=0.08, 10=0.05, 100=0.018, 250=0.013, 500=0.0096, 1000=0.0065 (USD)", RoHS="RoHS Compliant", Size / Dimension="0.039\" L x 0.020\" W (1.00mm x 0.50mm)", Stock 1=212041, Supplier=Digikey, Supplier 1=Digi-Key, Supplier Part Number 1=445-1254-1-ND, Thickness (Max)="0.022\" (0.55mm)"
C351 C522: library part C0603X5R1C104K030BC, "CAP CER 0.1UF 16V 10% X5R 0201", Capacitance=0.1µF, Manufacturer="TDK Corporation", Operating Temperature="-55°C ~ 85°C", Package / Case="0201 (0603 Metric)", Ratings=-, Supplier Part Number 1=445-7313-1-ND, Temperature Coefficient=X5R, Tolerance=±10%, Voltage - Rated=16V, .Checked PCB=used, .Checked SCH=used, .Creator=MM, Applications="General Purpose", Category=Capacitors, ComponentLink1Description=http://product.tdk.com/en/catalog/datasheets/mlcc_commercial_general_en.pdf, ComponentLink1URL=http://product.tdk.com/en/catalog/datasheets/mlcc_commercial_general_en.pdf, Features=-, Height - Seated (Max)=-, Lead Spacing=-, Lead Style=-, Manufacturer Part Number=C0603X5R1C104K030BC, Mounting Type="Surface Mount, MLCC", Packaging="Cut Tape (CT)", Pricing 1="1=0.1, 10=0.046, 100=0.0209, 250=0.01712, 500=0.01464, 1000=0.0114, 5000=0.0095 (USD)", RoHS="RoHS Compliant", Size / Dimension="0.024\" L x 0.012\" W (0.60mm x 0.30mm)", Stock 1=19491, Supplier 1=Digi-Key, Thickness (Max)="0.013\" (0.33mm)"
C352 C353 C354 C459 C460 C478: library part C1608X5R1A226M080AC, "CAP CER 22UF 10V X5R 0603", Capacitance=22µF, Manufacturer="TDK Corporation", Operating Temperature="-55°C ~ 85°C", Package / Case="0603 (1608 Metric)", Ratings=-, Supplier Part Number 1=445-9077-1-ND, Temperature Coefficient=X5R, Tolerance=±20%, Voltage - Rated=10V, .Checked PCB=used, .Checked SCH=used, .Creator=MM, Applications="General Purpose", Category=Capacitors, ComponentLink1Description=http://product.tdk.com/en/catalog/datasheets/mlcc_commercial_general_en.pdf, ComponentLink1URL=http://product.tdk.com/en/catalog/datasheets/mlcc_commercial_general_en.pdf, Features=-, Height - Seated (Max)=-, Lead Spacing=-, Lead Style=-, Manufacturer Part Number=C1608X5R1A226M080AC, Mounting Type="Surface Mount, MLCC", Packaging="Cut Tape (CT)", Pricing 1="1=0.49, 10=0.469, 100=0.2275, 250=0.189, 500=0.1715, 1000=0.1575 (USD)", RoHS="RoHS Compliant", Size / Dimension="0.063\" L x 0.031\" W (1.60mm x 0.80mm)", Stock 1=405620, Supplier 1=Digi-Key, Thickness (Max)="0.035\" (0.90mm)"
C356: library part CL05B332JA5NNNC, "CAP CER 3300PF 25V X7R 0402", Manufacturer="Samsung Electro-Mechanics", Operating Temperature="-55°C ~ 125°C", Package / Case="0402 (1005 Metric)", Ratings=-, Supplier Part Number 1=1276-1547-1-ND, Temperature Coefficient=X7R, Tolerance=±5%, Voltage - Rated=25V, .Creator=MB, Applications="General Purpose", Category=Capacitors, ComponentLink1Description=https://media.digikey.com/pdf/Data%20Sheets/Samsung%20PDFs/CL05B105KQ5NQNC_Spec.pdf, ComponentLink1URL=https://media.digikey.com/pdf/Data%20Sheets/Samsung%20PDFs/CL05B105KQ5NQNC_Spec.pdf, Features=-, Height - Seated (Max)=-, Lead Spacing=-, Lead Style=-, Manufacturer Part Number=CL05B332JA5NNNC, Mounting Type="Surface Mount, MLCC", Notification="Current market demand for these product types have resulted in fluctuating and extending lead times. Lead times may differ.", Packaging="Cut Tape (CT)", Part Status=Active, Pricing 1="1=0.1, 10=0.064, 100=0.0285, 500=0.02034, 1000=0.01598, 2500=0.01453, 5000=0.01337 (USD)", RoHS="RoHS Compliant", Size / Dimension="0.039\" L x 0.020\" W (1.00mm x 0.50mm)", Stock 1=78906, Supplier 1=Digi-Key, Thickness (Max)="0.022\" (0.55mm)"
C418 C421 C423 C427 C468: library part C1005X5R1A225K, "CAP CER 2.2UF 10V 10% X5R 0402", Capacitance=2.2µF, Manufacturer="TDK Corporation", Operating Temperature="-55°C ~ 85°C", Package / Case="0402 (1005 Metric)", Ratings=-, Supplier Part Number 1=445-7392-1-ND, Temperature Coefficient=X5R, Tolerance=±10%, Voltage - Rated=10V, .Checked PCB=used, .Checked SCH=used, Applications="General Purpose", Category=Capacitors, ComponentLink1Description=http://www.tdk.com/pdf/general_B11.pdf, ComponentLink1URL=http://www.tdk.com/pdf/general_B11.pdf, Features=-, Height - Seated (Max)=-, Lead Spacing=-, Lead Style=-, Manufacturer Part Number=C1005X5R1A225K, Mounting Type="Surface Mount, MLCC", Packaging="Cut Tape (CT)", Pricing 1="1=0.42, 10=0.332, 100=0.2, 250=0.15, 500=0.128, 1000=0.1 (USD)", RoHS="RoHS Compliant", Size / Dimension="0.039\" L x 0.020\" W (1.00mm x 0.50mm)", Stock 1=22891, Supplier 1=Digi-Key, Thickness (Max)="0.022\" (0.55mm)"
C430: library part C1005X5R1C474K, "CAP CER .47UF 16V X5R 0402", Capacitance=0.47µF, Manufacturer="TDK Corporation", Operating Temperature="-55°C ~ 85°C", Package / Case="0402 (1005 Metric)", Ratings=-, Supplier Part Number=445-4976-1-ND, Temperature Coefficient=X5R, Tolerance=±10%, Voltage - Rated=16V, .Checked PCB=used, .Checked SCH=used, Applications="General Purpose", Category=Capacitors, ComponentLink1Description=http://www.tdk.co.jp/tefe02/e412_c.pdf, ComponentLink1URL=http://www.tdk.co.jp/tefe02/e412_c.pdf, Features=-, Height - Seated (Max)=-, Lead Spacing=-, Lead Style=-, Manufacturer Part Number=C1005X5R1C474K, Mounting Type="Surface Mount, MLCC", Packaging="Cut Tape (CT)", Price 1k [$]=0.02400, Pricing 1="1=0.24, 10=0.16, 100=0.064, 250=0.046, 500=0.0328, 1000=0.024 (USD)", RoHS="RoHS Compliant", Size / Dimension="0.039\" L x 0.020\" W (1.00mm x 0.50mm)", Stock 1=141502, Supplier=Digikey, Supplier 1=Digi-Key, Supplier Part Number 1=445-4976-1-ND, Thickness (Max)="0.022\" (0.55mm)"
C480 C492: library part GRM155R71E473KA88D, "CAP CER 0.047UF 25V X7R 0402", Manufacturer="Murata Electronics North America", Operating Temperature="-55°C ~ 125°C", Package / Case="0402 (1005 Metric)", Ratings=-, Supplier Part Number 1=490-3254-1-ND, Temperature Coefficient=X7R, Tolerance=±10%, Voltage - Rated=25V, .Creator=MB, Applications="General Purpose", Category=Capacitors, ComponentLink1Description=https://www.murata.com/~/media/webrenewal/support/library/catalog/products/capacitor/mlcc/c02e.ashx, ComponentLink1URL=https://www.murata.com/~/media/webrenewal/support/library/catalog/products/capacitor/mlcc/c02e.ashx, Features=-, Height - Seated (Max)=-, Lead Spacing=-, Lead Style=-, Manufacturer Part Number=GRM155R71E473KA88D, Mounting Type="Surface Mount, MLCC", Notification="Current market demand for these product types have resulted in fluctuating and extending lead times. Lead times may differ.", Packaging="Cut Tape (CT)", Part Status=Active, Pricing 1="1=0.1, 10=0.024, 100=0.0109, 500=0.00778, 1000=0.00611, 2500=0.00556, 5000=0.00511 (USD)", RoHS="RoHS Compliant", Size / Dimension="0.039\" L x 0.020\" W (1.00mm x 0.50mm)", Stock 1=1130803, Supplier 1=Digi-Key, Thickness (Max)="0.022\" (0.55mm)"
C526: library part GRM0335C1H6R8BA01D, "CAP CER 6.8pF 0201 50volts C0G +/-0.1pF", Case/Package=0201, Case Code (Metric)=0603, Dielectric=C0G, Manufacturer=Murata, Max Operating Temperature=125°C, Min Operating Temperature=-55°C, Package Quantity=15000, Supplier Part Number 1=490-17817-1-ND, Voltage Rating=50V, .Creator=MB, Capacitance=6.8pF, Case Code (Imperial)=0201, ComponentLink1Description=https://datasheet.ciiva.com/29538/partnumbering-e-01-29538455.pdf, ComponentLink1URL=https://datasheet.ciiva.com/29538/partnumbering-e-01-29538455.pdf, Height=0.3mm, Length=0.024inch, Manufacturer Part Number=GRM0335C1H6R8BA01D, Mount="Surface Mount", Packaging="Tape and Reel", Pricing 1="1=0.1, 10=0.021, 100=0.0092, 500=0.00656, 1000=0.00516, 2500=0.00469, 5000=0.00431 (USD)", Stock 1=29500, Supplier 1=Digi-Key, Termination=SMD/SMT, Thickness=0.013inch, Voltage Rating (DC)=50V, Width=0.3mm